# Allegro board balenaFin-PCB.brd (continued)
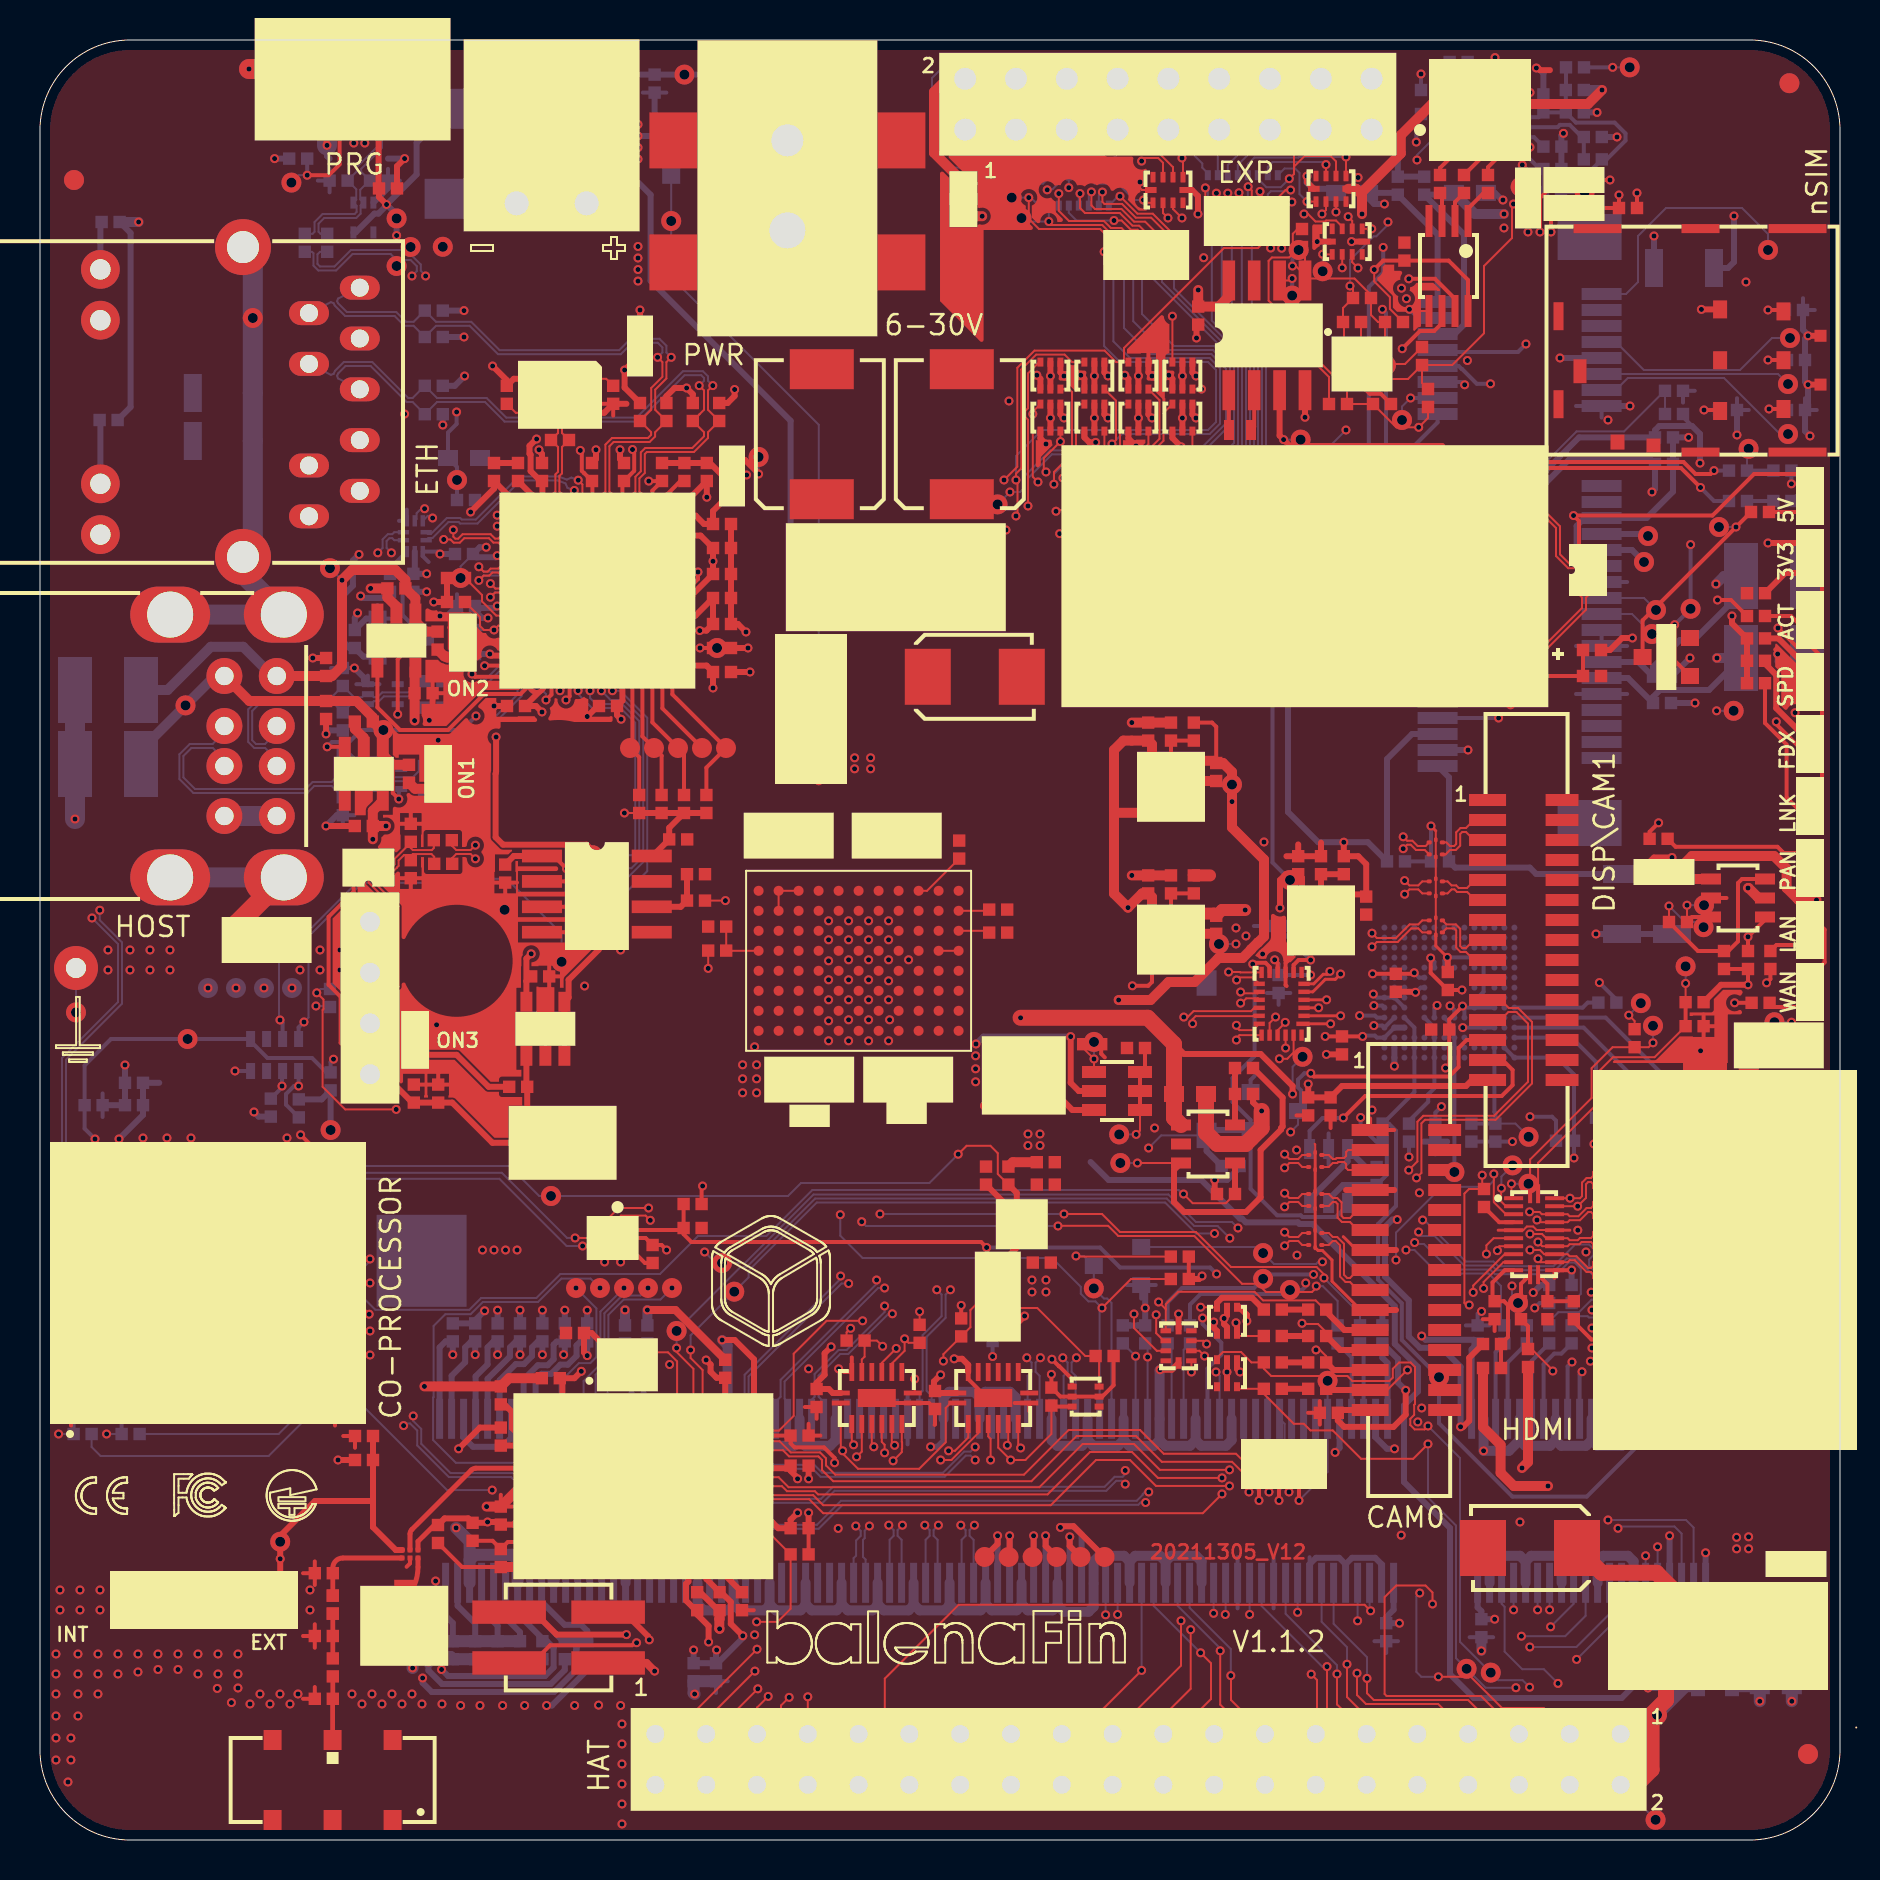
[diagram p0: board, top side]
## Nets (continued)
CAM1_CK+_EXT: J10.9 L13.3
CAM1_CK-_EXT: J10.8 L13.4
CAM1_CN: J2.149 L13.2
CAM1_CP: J2.147 L13.1
CAM1_D0+_EXT: J10.3 L11.3
CAM1_D0-_EXT: J10.2 L11.4
CAM1_D1+_EXT: J10.6 L12.3
CAM1_D1-_EXT: J10.5 L12.4
CAM1_DN0: J2.161 L11.2
CAM1_DN1: J2.155 L12.2
CAM1_DP0: J2.159 L11.1
CAM1_DP1: J2.153 L12.1
CAM1_IO0: DS4.3 J2.82 R18.2 R82.2
CAM1_IO0_EXT: J10.11 R81.1 TVS2.1 U32.2
CAM1_IO1: DS4.6 J2.84 R20.2 R84.2
CAM1_IO1_EXT: J10.12 R83.1 TVS2.2 U32.5
CAM1_SCL_EXT: J10.13 R85.1 TVS2.3 U32.3
CAM1_SDA_EXT: J10.14 R87.1 TVS2.6 U32.6
CAM_DIS_PIN11: J3.11 U32.4
CAM_DIS_PIN12: J3.12 U32.7
CAM_DIS_PIN13: J3.13 Q21.3 U32.12
CAM_DIS_PIN14: J3.14 Q20.4 U32.9
CM3_RX: R15.2 U29.2
CM3_TX: R14.2 U29.1
D+_DBG: C87.1 J13.3 R115.2 TVS5.2
D+_HOST1: C69.1 J11.3 R91.2 TVS3.2
D+_HOST2: C78.1 J11.7 R109.2 TVS4.2
D+_HOST_INT: C238.1 J23.3 R296.2 TVS19.2
D-_DBG: C86.1 J13.2 R114.2 TVS5.1
D-_HOST1: C68.1 J11.2 R92.2 TVS3.1
D-_HOST2: C77.1 J11.6 R108.2 TVS4.1
D-_HOST_INT: C237.1 J23.2 R295.2 TVS19.1
DBG_UP-RX_DEV-TX: DS26.6 MOD2.6 RR3.5
DBG_UP-RX_DEV-TX_EXT: J14.12 RR2.13 TVS18.1
DBG_UP-TX_DEV-RX: DS26.3 MOD2.5 RR3.6
DBG_UP-TX_DEV-RX_EXT: J14.14 RR2.14 TVS18.2
DISP_CLK+_CAM0_D1+_EXT: J3.6 L3.3
DISP_CLK-_CAM0_D1-_EXT: J3.5 L3.4
DISP_D0+_CAM0_CK+_EXT: J3.9 L4.3
DISP_D0-_CAM0_CK-_EXT: J3.8 L4.4
DISP_D1+_CAM0_D0+_EXT: J3.3 L2.3
DISP_D1-_CAM0_D0-_EXT: J3.2 L2.4
DSI1_CN: J2.102 U31.23
DSI1_CN_CAM0_DN1: L3.2 U31.2
DSI1_CP: J2.100 U31.22
DSI1_CP_CAM0_DP1: L3.1 U31.1
DSI1_DN0: J2.96 U31.21
DSI1_DN0_CAM0_CN: L4.2 U31.4
DSI1_DN1: J2.120 U31.18
DSI1_DN1_CAM0_DN0: L2.2 U31.6
DSI1_DP0: J2.94 U31.20
DSI1_DP0_CAM0_CP: L4.1 U31.3
DSI1_DP1: J2.118 U31.19
DSI1_DP1_CAM0_DP0: L2.1 U31.5
EE_CLK: U19.2 U22.23
EE_CS: R170.2 U19.1 U22.24
EE_DI: U19.4 U22.26
EE_DO: U19.3 U22.25
EMMC_CLK: J2.10 U17.M6 U17.N7 U17.P7
EMMC_CMD: J2.12 R134.1 U17.L1 U17.L2 U17.L3 U17.M5
EMMC_D0: J2.16 R138.1 U17.A3
EMMC_D1: J2.18 R137.1 U17.A4
EMMC_D2: J2.22 R136.1 U17.A5
EMMC_D3: J2.24 R135.1 U17.A1 U17.B2
EMMC_DISABLE_N: J2.2 Q2.3
EMMC_DS: TP41.1(TP) U17.G1 U17.G2 U17.G3 U17.H5
EMMC_EN_N_1V8: J2.90 Q3.1 R22.1
EMMC_RST: R133.1 U17.J1 U17.J2 U17.J3 U17.K5
ETH_RX+: C138.1 J20.4 R164.1 U22.52
ETH_RX-: C139.1 J20.5 R165.1 U22.53
ETH_TX+: C136.1 J20.1 R162.1 U22.55
ETH_TX-: C137.1 J20.2 R163.1 U22.56
GPIO4: J2.15 J18.7
GPIO5: J2.17 J18.29
GPIO6: J2.21 J18.31
GPIO7: J2.23 J18.26
GPIO8: J2.27 J18.24
GPIO9: J2.29 J18.21
GPIO10: J2.33 J18.19
GPIO11: J2.35 J18.23
GPIO12: J2.45 J18.32
GPIO13: J2.47 J18.33
GPIO14: J2.51 J18.8
GPIO15: J2.53 J18.10
GPIO16: J2.57 J18.36
GPIO17: J2.59 J18.11
GPIO18: J2.63 J18.12
GPIO19: J2.65 J18.35
GPIO20: J2.69 J18.38
GPIO21: J2.71 J18.40
GPIO22: J2.75 J18.15
GPIO23: J2.77 J18.16
GPIO24: J2.81 J18.18
GPIO25: J2.83 J18.22
GPIO26: J2.87 J18.37
GPIO27: J2.89 J18.13
HDMI_CEC: J2.171 R6.1
HDMI_CEC_CON: J1.13 U1.6
HDMI_CK+: J1.10 J2.113 U1.15
HDMI_CK-: J1.12 J2.111 U1.14
HDMI_D0+: J1.7 J2.119 U1.17
HDMI_D0-: J1.9 J2.117 U1.16
HDMI_D1+: J1.4 J2.125 U1.20
HDMI_D1-: J1.6 J2.123 U1.19
HDMI_D2+: J1.1 J2.131 U1.22
HDMI_D2-: J1.3 J2.129 U1.21
HDMI_HPD: Q1.1 U1.3
HDMI_HPD_CON: J1.19 U1.9
HDMI_LS_OE: R13.1 R16.1 R245.2 U25.5
HDMI_SCL: J2.175 U1.1
HDMI_SCL_CON: J1.15 U1.7
HDMI_SDA: J2.173 U1.2
HDMI_SDA_CON: J1.16(SDA) U1.8
I2C0_SCL: DS5.6 J2.5 J18.28 R4.1 R86.2
I2C0_SDA: DS5.3 J2.3 J18.27 R5.1 R88.2
I2C1_SCL: J2.11 J18.5 R1.1 R143.2 R284.2
I2C1_SCL_EXT: TVS18.7
I2C1_SDA: J2.9 J18.3 R3.1 R145.2 R285.1
I2C1_SDA_EXT: TVS18.8
JTCK: J2.180 TP63.1(TP)
JTDI: J2.174 TP60.1(TP)
JTDO: J2.178 TP62.1(TP)
JTMS: J2.176 TP61.1(TP)
LED-B: R123.2 U30.3
LED-G: R121.2 U30.2
LED-R: R119.2 U30.1
LED_LINK: J20.12 LD12.1(C) U22.21
LED_SPEED: J20.14 LD13.1(C) U22.22
MCU-GPIO0: DS7.3 MOD2.3 RR13.5
MCU-GPIO0_EXT: J14.1 RR14.13 TVS6.7
MCU-GPIO1: DS7.6 MOD2.7 RR13.6
MCU-GPIO1_EXT: J14.3 RR14.14 TVS6.6
MCU-GPIO2: DS8.3 MOD2.8 RR13.7
MCU-GPIO2_EXT: J14.5 RR14.15 TVS7.1
MCU-GPIO3: DS8.6 MOD2.9 RR13.8
MCU-GPIO3_EXT: J14.7 RR14.16 TVS7.2
MCU-GPIO4: DS9.3 MOD2.10 RR3.1
MCU-GPIO4_EXT: J14.9 RR2.9 TVS7.3
MCU-GPIO5: DS9.6 MOD2.11 RR3.2
MCU-GPIO5_EXT: J14.11 RR2.10 TVS7.8
MCU-GPIO6: DS10.3 MOD2.27 RR3.3
MCU-GPIO6_EXT: J14.13 RR2.11 TVS7.7
MCU-GPIO7: DS10.6 MOD2.28 RR3.4
MCU-GPIO7_EXT: J14.15 RR2.12 TVS7.6
MCU-GPIO8: DS25.3 R313.2 R314.1 RR3.7
MCU-GPIO8_EXT: J14.16 RR2.15 TVS18.3
MCU-GPIO9: DS25.6 R312.2 R315.2 RR3.8
MCU-GPIO9_EXT: J14.18 RR2.16 TVS18.6
NRST: J2.172(V\C\_\T\R\S\T\) TP59.1(TP)
PERST_MPCIE: R250.2 U25.8
PW_EN_LED: Q13.1 Q16.1 R273.1 U25.10
PW_ON_3V3: MOD2.26 R180.1 U20.3
PW_ON_5V: MOD2.17 Q17.1 R274.1
RF_OUT_50OHM: MOD1.N4 U26.5
RST_MCU: C91.1 MOD2.30 R118.1 R311.1 RR4.5
SEL_CAM_DIS: DSW2.2 Q20.1 Q21.1 R317.2 U31.11 U32.1 U33.1
SEL_SWD: J2.72 R297.1 R298.2 U29.10
SPI-MCU_MISO: DS28.6 MOD2.15 RR13.4
SPI-MCU_MISO_EXT: J14.10 RR14.12 TVS6.8
SPI-MCU_MOSI: DS28.3 MOD2.14 RR13.3
SPI-MCU_MOSI_EXT: J14.8 RR14.11 TVS6.3
SPI-MCU_SCLK: DS27.6 MOD2.16 RR13.2
SPI-MCU_SCLK_EXT: J14.6 RR14.10 TVS6.2
SPI_MCU_CS-CON: DS27.3 MOD2.13 RR13.1
SPI_MCU_CS-CON_EXT: J14.4 RR14.9 TVS6.1
SW_I2C_SCL_ON: MOD2.19 Q18.3 R284.1 R287.2 R288.1 R315.1 U23.6 U30.6
SW_I2C_SCL_ON_OFF: Q18.4(S2) R17.2 R282.2 R287.1 U25.12
SW_I2C_SDA_ON: MOD2.18 Q18.6 R285.2 R286.1 R289.2 R314.2 U23.5 U30.7
SW_I2C_SDA_ON_OFF: Q18.1 R19.2 R283.1 R286.2 U25.13
SWCLK_MCU: MOD2.21 RR4.7 U29.7
SWDIO_MCU: MOD2.22 RR4.8 U29.6
TR00: J20.7 J24.2
TR01: J20.8 J24.1
TR02: J20.9 J24.4
TR03: J20.10(VC2-) J24.3
USB_DBG_D+: R115.1 U13.5
USB_DBG_D-: R114.1 U13.4
USB_DM: J2.167 U13.2
USB_DP: J2.165 U13.1
USB_HOST1_CTRL: U10.3 U10.4 U22.17
USB_HOST1_D+: R91.1 U22.7
USB_HOST1_D-: R92.1 U22.6
USB_HOST2_CTRL: U12.3 U12.4 U22.18
USB_HOST2_D+: R109.1 U22.9
USB_HOST2_D-: R108.1 U22.8
USB_HOST_INT_CTRL: U22.16 U28.3 U28.4
USB_HUB_D+: U13.7 U22.59
USB_HUB_D-: U13.6 U22.58
USB_INT+: R296.1 U22.4
USB_INT-: R295.1 U22.3
USB_MPCIE_D+: J19.38 TVS17.2 U22.2
USB_MPCIE_D-: J19.36 TVS17.1 U22.1
W-DISABLE_MPCIE: R249.2 U25.7
WIFI_BLE_PDN: MOD1.C8 R218.2 R293.2
WIFI_SDIO_CLK: J2.52 MOD1.A5 RR15.6
WIFI_SDIO_CMD: J2.54 MOD1.B4 RR15.5
WIFI_SDIO_D0: J2.58 MOD1.B6 RR15.4
WIFI_SDIO_D1: J2.60 MOD1.A6 RR15.3
WIFI_SDIO_D2: J2.64 MOD1.B3 RR15.2
WIFI_SDIO_D3: J2.66 MOD1.A3 RR15.1
N16818805: R35.1 R37.2 U2.5
N16819336: R42.1 R46.2 U5.5
N16826548: C89.2 J13.6 J13.7 J13.8 J13.9 J13.10 J13.11 R117.2
N16879463: C3.1 R2.1 U1.23(VCCA)
N16879564: R6.2 U1.24
N16879671: J1.18 L1.2
N16879685: R13.2 U1.4
N16879735: C9.1 R243.2 R244.2 U1.10
N16879749: C8.2 J1.21 J1.22 J1.23 J1.24
N16879759: R16.2 U1.11
N16879761: C10.1 L1.1 U1.12
N16882551: J2.88 Q1.3 R21.1
N16891942: Q6.3 R113.2 U13.10
N16969912: R128.1 RR4.1 TP70.1(TP)
N16969957: R132.1 RR4.2 TP71.1(TP)
N16969979: RR4.4 TP72.1(TP)
N17037416: J2.168 R29.1
N17062592: RR2.5 RR3.13
N17062595: RR2.6 RR3.14
N17062598: RR2.7 RR3.15
N17062601: RR2.8 RR3.16
N17069111: DS2.1(C) DS3.1(C) DS32.1(C) DS33.1(C) F1.1
N17119064: R49.1 R52.2 U6.5
N17122549: J19.32 R144.1
N17122560: J19.30 R142.1
N17123208: J19.14 R187.1
N17123211: J19.12 R186.1
N17123214: J19.10 R185.1
N17123217: C153.1 J19.8 J22.1 R188.2
N17128944: R142.2 R143.1
N17129002: R144.2 R145.1
N17130185: C211.1 J19.22 R248.1 R250.1
N17130223: J19.7 TP50.1(TP)
N17130226: J19.11 TP47.1(TP)
N17130229: J19.13 TP49.1(TP)
N17130232: J19.23 TP55.1(TP)
N17130235: J19.25 TP56.1(TP)
N17130238: J19.31 TP57.1(TP)
N17130241: J19.33 TP58.1(TP)
N17130249: J19.1 TP46.1(TP)
N17159243: LD4.1(C) R66.2
N17159780: LD5.1(C) R67.2
N17163814: RR2.4 RR3.12
N17163832: RR2.3 RR3.11
N17163850: RR2.2 RR3.10
N17179377: J9.1 U26.3
N17179423: ANT1.2 C60.1 C202.2
N17179429: C201.1 C202.1 L22.2 R224.2
N17199581: J2.28 R8.1
N17199633: J2.30 R9.1
N17201498: J2.46 R14.1
N17201501: J2.48 R15.1
N17201615: J2.76 R17.1
N17201618: J2.78 R19.1
N17222181: R139.2 U17.A6
N17222186: R140.2 U17.J5
N17293442: J2.93 TP1.1(TP)
N17293451: J2.95 TP2.1(TP)
N17293460: J2.99 TP3.1(TP)
N17293469: J2.101 TP4.1(TP)
N17293478: J2.105 TP5.1(TP)
N17293487: J2.107 TP6.1(TP)
N17293833: J2.166 R28.1
N17297409: Q2.1 R32.2 R237.1
N17299945: Q2.2(S) Q3.3 R31.1
N17304746: LD17.1(C) R31.2
N17324040: RR2.1 RR3.9
N17354151: J13.4 R153.2
N18385522: F2.1 J14.2
N18386630: RR13.9 RR14.1
N18386633: RR13.10 RR14.2
N18386636: RR13.11 RR14.3
N18386651: RR13.12 RR14.4
N18386810: RR13.13 RR14.5
N18386815: RR13.14 RR14.6
N18386822: RR13.15 RR14.7
N18386825: RR13.16 RR14.8
N18400731: C152.1 U20.4
N18401161: R182.1 U20.6
N18405003: R1.2 R3.2 R183.2 R184.2
N18406483: C154.1 J22.2 R187.2
N18406582: C156.1 J22.7 R185.2 R188.1
N18406685: J19.16 TP64.1(TP)
N18408710: C155.1 J22.3 R186.2
N18424363: C135.1 J20.3 R200.1
N18431035: R201.1 U22.63
N18432576: R202.1 U22.50
N18433009: R203.1 U22.41
N18435074: C148.1 R204.2 U22.61 Y2.3
N18435086: C147.1 R204.1 U22.60(XO) Y2.1
N18439563: LD14.1(C) U22.20
N18440280: C187.2 R205.1 U22.12
N18441109: R169.1 R171.2 U19.6
N18444316: R206.1 TP69.1(TP) U22.32
N18444319: TP68.1(TP) U22.31
N18444322: R207.1 TP67.1(TP) U22.30
N18444325: R208.1 TP66.1(TP) U22.29
N18444328: R209.1 TP65.1(TP) U22.28
N18447675: LD15.2 R210.1
N18448098: LD16.2 R211.1
N18449262: R212.1 U22.11
N18457379: U23.1 Y4.2
N18457384: U23.2(X2) Y4.1
N18469944: BAT1.1 U23.3
N18472937: C199.2 MOD1.B9
N18475436: MOD1.L3 R219.2 R222.2
N18475447: MOD1.L8 R220.2 R221.2
N18488781: L10.2 L22.1(C) R224.1 U26.1
N18498215: C204.1 R230.2 R233.2 R234.2 R235.1 R236.1 U25.14
N18498233: R229.2 R230.1 U25.15
N18502868: R231.2 R233.1 U25.16
N18502871: R232.2 R234.1 U25.1
N18639689: Q16.3 R269.1 R271.1
N18639693: Q16.6 R269.2
N18652550: DSW1.2 R240.1 R275.2 U26.6
N18655098: Q14.4 Q15.4 R260.2
N18655160: Q15.1 Q15.2 Q15.3 R262.2
N18656712: Q17.3 R270.1 R272.1
N18656716: Q17.6 R270.2
N18660257: Q13.3 R66.1
N18668852: J19.20(W\_\D\I\S\A\B\L\E\) R246.1 R247.2 R249.1
N18784708: MOD1.E1 Y5.3
N19330929: J2.34 R11.1
N19330932: J2.36 R12.1
N19357608: LD8.1 R123.1
N19378336: J2.70 R293.1
N19465405: LD18.2 R294.1
N19490611: LD8.3(CR) R119.1
N19490616: LD8.2 R121.1
N20229851: J20.13 R308.2
N20229854: J20.11 R307.1
N20266908: LD13.2 R174.1
N20266937: LD12.2 R175.1
N20266961: LD14.2 R177.1
N20267004: R311.2 U25.9
N20267170: MOD2.2 R312.1
N20267197: MOD2.4 R313.1
N20273293: Q20.3 Q20.6 R316.1
N20278857: R23.2 R24.1
N20278874: R25.2 R26.1
N20285008: R309.2 U31.8
N20297788: R81.2 R82.1
N20297820: R83.2 R84.1
N20297852: R85.2 R86.1
N20297874: R87.2 R88.1
N20330182: J19.42 R146.1
N20330192: LD9.1(C) R146.2
N20330200: J19.44 R147.1
N20330210: LD10.1(C) R147.2
N20330214: J19.46 R148.1
N20330216: LD11.1(C) R148.2
N20547834: U34.A4 U34.B4
N20558805: R252.2 U34.A3
N20558987: R264.2 U34.A2
N20559359: R263.1 U34.C1
N20559557: R253.1 R254.2 U34.L4

Pads without a net: ANT1 1 3 4 5 6; FID1 1; FID2 1; FID3 1; FID4 1; FID5 1; FID6 1; J1 14; J2 106 108 112 114 124 126 128 130 132 135 137 141 143 154 156 158 160 162 177 179; J3 16 17 18 19 20 21 22 23 24 25 26 27 28 29 30; J10 16 17 18 19 20 21 22 23 24 25 26 27 28 29 30; J19 3 5 17 19 45 47 49 51; J22 6 13; MOD1 B7 B8 D8 E2 E8 F2 F9 G1 G2 G9 H1 H2 H8 J1 J2 J8 K1 K2 K8 K9 L2 L4 L5 L6 L7 M7; MOD2 25; RR4 3 6; RR15 7 8 9 10; TVS2 4 9; TVS3 4; TVS4 4; TVS5 4; TVS6 4 9; TVS7 4 9; TVS17 4; TVS18 4 9; TVS19 4; U2 3; U5 3; U6 3; U17 A2 A7 A8 A9 A10 A11 A12 A13 A14 B1 B3 B4 B5 B6 B7 B8 B9 B10 B11 B12 B13 B14 C3 C5 C7 C8 C9 C10 C11 C12 C13 C14 D1 D2 D3 D12 D13 D14 E1 E2 E3 E5 E8 E9 E10 E12 E13 E14 F1 F2 F3 F10 F12 F13 F14 G10 G12 G13 G14 H1 H2 H3 H12 H13 H14 J12 J13 J14 K1 K2 K3 K6 K7 K10 K12 K13 K14 L12 L13 L14 M1 M2 M3 M7 M8 M9 M10 M11 M12 M13 M14 N3 N6 N8 N9 N10 N11 N12 N13 N14 P1 P2 P8 P9 P10 P11 P12 P13 P14; U19 7; U20 5; U22 13 14 35 36 37 42 43 45 47; U23 7; U25 2 3 4 11; U30 4; U31 7 24; U32 10 13; U33 9 10 11 12 13 14; U34 B1 B2 B3 C2 C3 K3 K4 L2 L3; Y5 1

## Via types
v1: diameter 0.45, hole 0.254, TOP to BOTTOM, 1045 vias
v2: diameter 1, hole 0.5, TOP to BOTTOM, 107 vias

## Routing (per net, layer and track width the routed paths; a pad name or vN(x,y) marks a point on that pad's centre or on a via; arc(x,y) is an arc through that point)
3V3_HAT: length 30.7
  POWER w0.6: J18.17 60.21,6.8 77.53,6.8 J18.1
  BOTTOM w0.6: J18.1 79.89,5.3 v2(80.85,6.26) 82.28,7.69 F3.2 82.9,7.84 83.86,8.8 84.87,8.8 85.56,9.49 TVS15.1
5V_HAT: length 37.5
  TOP w0.8: 80.8,10.2 81.5,10.2 v1(82.3,9.4) ; 80.8,10.2 v1(82.3,8.7) ; 80.8,10.2 F4.1 ; J18.4 J18.2 79.82,2.76 80.58,3.52 80.58,6.28 81.3,7 81.3,9.62 F4.1 ; F4.1 81.62,11.11 81.62,12.56 80.83,13.36 78.09,13.36 TVS16.1
  INT1 w0.8: v1(82.3,9.4) v1(82.3,8.7) 82.3,8 80.58,6.28 80.58,3.56 79.78,2.76 J18.2 J18.4
  BOTTOM w0.1: J18.2 v2(80.78,1.01)
5V_HOST1: length 20.7
  TOP w0.2: 17.64,53.76 17.64,52.35 v1(17.94,52.05)
  TOP w0.5: J11.1 10.47,56.95 C70.1 15.83,56.95 16.64,56.13 C64.1 17.14,55.42 U10.1 17.14,54.26 17.64,53.76 R210.2
  BOTTOM w0.2: TVS3.5 17.94,52.43 v1(17.94,52.05)
  BOTTOM w0.5: C234.1 5.05,54.51 v2(7.28,56.73) 8.75,58.2 J11.1
5V_HOST2: length 29.3
  TOP w0.2: v1(17.89,56.29) 17.89,59.04 19.27,60.42
  TOP w0.5: R211.2 19.27,60.42 18.77,60.92 U12.1 18.77,62.08 C76.1 18.27,63 17.77,63.5 15.6,63.5 15.1,63 v1(15.1,62.99) 15.1,58.7 14.6,58.2 C79.1 J11.5
  BOTTOM w0.1: v2(14.5,63.59) v1(15.1,62.99)
  BOTTOM w0.2: TVS4.5 v1(17.89,56.29)
  BOTTOM w0.5: J11.5 11.62,58.2 10.16,59.66 8.54,59.66 6.38,57.5 C232.1
5V_HOST_INT: length 25.1
  TOP w0.2: J23.1 16.5,38.39 15.03,39.86 15.03,42.16 14.43,42.76 14.43,46.16 15.68,47.41 TVS19.5
  TOP w0.3: U28.1 24.32,37.7 R294.2 24.36,34.98 C240.1 22.62,34.86 20.61,36.87 C236.1 C239.1 18.62,36.87 17.2,38.29 J23.1
+1V5: length 95
  TOP w0.3: v1(65.19,49.89) R49.2 65.91,49.19 66.31,48.79 C42.1 66.2,47.28 U6.4
  POWER w0.5: v1(80.6,67.4) 79.04,68.96 v1(69.76,68.96) 73.1,72.3 73.1,75.2 72.06,76.23 72.06,78.44 71.67,78.83 71.67,80.36 72.61,81.3 v1(73.2,81.3)
  BOTTOM w0.3: v1(80.6,67.4) 80.75,67.55 C120.1 80.53,69.03 76.46,69.03 70.73,63.3 J19.28 ; J19.6 70.73,75.3 71.2,75.77 71.2,80.28 69.21,82.27 70.61,82.27 C115.2 ; J19.48 68.6,55.3 67.35,54.05 C123.1 66.39,49.89 v1(65.19,49.89) 63.91,49.89 62.4,51.4 62.4,62.2 v2(64.33,64.13) 69.16,68.96 v1(69.76,68.96)
  BOTTOM w0.5: v1(73.2,81.3) 71.75,81.3 C115.2
+1V8: length 59.9
  TOP w0.2: R21.2 R22.2
  TOP w0.3: R22.2 57.95,28.05 v1(58.1,28.2) ; v1(27.36,24.22) 27.2,24.38 C231.1 27.58,25.35 Y5.4
  TOP w0.6: U5.4 58.7,46.32 C39.1 59.1,46.5 v1(60.26,46.5) ; R42.2 58.5,48.23
  INT3 w0.2: v1(26.18,24.27) 26.18,13.85 20.43,8.1 v1(19.13,8.1)
  BOTTOM w0.3: C13.2 27.36,10.46 27.06,10.76 26.23,10.76 25.08,11.91 J2.183 ; J2.186 24.18,23.03 24.89,23.74 25.38,23.74 25.68,24.04 25.68,24.77 25.83,24.92 26.24,24.92 ; J2.184 24.78,23.01 25.08,23.31 25.56,23.31 26.01,23.77 26.39,23.77 26.83,24.2 26.83,24.73 27.03,24.93 C14.1 v1(27.36,24.22) ; v1(26.18,24.27) 26.24,24.33 26.24,24.92 ; 26.24,24.92 C16.1 ; v1(19.13,8.1) 19.13,7.86 19.59,7.4 25.7,7.4 26.8,8.5 26.8,9.49 26.83,9.52 26.83,9.67 27.1,9.94 ; J2.185 24.48,11.61 26.15,9.94 C15.2
  BOTTOM w0.6: C15.2 C13.2
+1V8_CORE: length 16.8
  TOP w0.3: v1(22.49,59.3) 22.57,59.22 U22.15 ; v1(32.99,60.47) 33.32,60.47 C182.1 C184.1 32.77,61.22 U22.38
  INT1 w0.5: v1(22.49,59.3) 22.99,59.8 32.32,59.8 v1(32.99,60.47)
  BOTTOM w0.3: v1(22.49,59.3) C183.2
+1V8_ETHPLL: length 3.6
  TOP w0.3: L21.2 33.65,66.45 C186.1 33.2,65.8 32.78,66.22 U22.48
+1V8_USBPLL: length 18.8
  TOP w0.3: L21.1 35.25,69 35.93,68.32 v1(35.93,68.3) ; v1(24.83,70.05) 24.77,69.99 24.75,69.99 24.48,69.71 24.48,69.32 24.53,69.26 24.53,68.45 25.03,67.95 C185.2 25.12,67.93 U22.62
  INT2 w0.3: v1(24.83,70.05) 25.78,71 33.25,71 35.8,68.45 35.8,68.43 v1(35.93,68.3)
  BOTTOM w0.1: v2(35.93,69.15) v1(35.93,68.3)
+1V8_WIFI: length 61.3
  TOP w0.1: MOD1.L9 26.57,14.54 26.57,15.44 v1(26.63,15.5) ; v1(31.03,15.5) 29.59,15.5 29.27,15.18 29.27,14.8 29.01,14.54 28.37,14.54 MOD1.J9
  TOP w0.2: v1(39.73,18.86) 39.73,19.1 39.2,19.63 37.73,19.63 37.53,19.83 C195.2 34.39,20.22 MOD1.B2
  TOP w0.3: MOD1.L1 26.12,22.96 C196.2 26.72,23.09 v1(27.07,23.43) ; v1(35.14,10.21) 34.54,10.81 34.54,11.9 34.05,12.39 C194.2 33.32,13.05 MOD1.C9
  INT1 w0.3: v1(33.83,9.5) 34.45,10.13 34.45,12.08 v1(31.03,15.5) ; v1(26.63,15.5) 27.63,14.5 29.63,14.5 32.68,11.45 32.68,11.42 32.91,11.19 32.91,9.81 32.68,9.58 v1(32.68,9.5)
  POWER w0.3: v1(35.14,10.21) 35.14,11.48 39.73,16.07 39.73,18.86 v1(39.73,18.86)
  POWER w0.4: v1(26.63,15.5) 25.53,16.6 25.53,21.9 v1(27.07,23.43)
  BOTTOM w0.3: C198.2 33.88,8.84 35.14,10.1 v1(35.14,10.21) ; C198.2 33.8,9.47 33.83,9.5 v1(33.83,9.5) ; C198.2 C197.2 v1(32.68,9.5)
+2V8: length 106.7
  TOP w0.2: R35.2 58.6,55.87 58.81,55.66 C27.1
  TOP w0.5: U2.4 58.7,53.96 C27.1 59.15,53.85 59.6,53.4 v1(59.6,51.92) 59.6,50.62 61.2,49.02 61.2,45.17 60.91,44.88 60.89,44.88 60.56,44.54 60.56,44.53 60.13,44.1 58.93,44.1 57.73,42.9 56.43,42.9 55.53,42 v1(53.93,42)
  INT3 w0.2: v1(20.08,8.53) 19.96,8.64 19.96,8.95 25.12,14.11 v1(25.12,24.27)
  POWER w0.5: v1(53.93,42) 53.93,32.3 52.43,30.8 52.43,23.91 50.88,22.36 31.84,22.36 29.3,24.9 25.62,24.9 25.12,24.4 v1(25.12,24.27)
  BOTTOM w0.1: v2(59.6,52.77) v1(59.6,51.92)
  BOTTOM w0.3: J2.189 23.28,11.91 25.12,10.07 C17.2 25.35,9.94 25.68,9.61 25.68,8.63 25.25,8.2 20.4,8.2 v1(20.08,8.53) ; v1(25.12,24.27) C18.1 24.9,24.93 24.6,24.63 24.6,24.2 24.2,23.79 23.78,23.79 22.98,22.99 J2.190
+3V3: length 332.9
  TOP w0.1: R209.2 v1(29.22,51.35) ; R283.2 66.05,74.59 65.26,73.8 ; R282.1 68.25,73.8 Q18.5 ; R169.2 v1(34.27,46.97)
  TOP w0.2: R271.2 R273.2 v1(85.4,42.76) ; R297.2 33.08,32.65 v1(33.13,32.7) ; v1(61.73,44.01) 61.73,44 61.88,43.85 U31.10 ; Q18.5 v1(65.9,73.8) Q18.2 ; v1(66.13,40.18) C109.2 v1(64.26,40.18) ; RR15.16 RR15.15 RR15.14 ; v1(71.1,42.5) C110.2 70.39,42.5 69.53,43.35 v1(69.53,44.1) ; v1(61.16,18.95) 61.45,19.24 RR15.14 ; R319.1 53.68,22.74 53.11,22.17 DS1.2 DS1.5 51.02,22.17 50.57,22.62 R318.1 v1(50.57,23.28) ; v1(66.63,43.31) C112.2 68.66,43.31 v1(68.71,43.36) ; v1(70.28,38.6) 70.46,38.78 C111.2 70.46,41.03 v1(71.13,41.7) ; U29.9 30.28,30.1 C241.1 31.08,29.75 v1(31.33,29.5) ; RR15.12 RR15.13 RR15.14 ; v1(54.62,42.71) 55.41,42.71 55.6,42.9 U5.1
  TOP w0.25: C210.2 19.72,15.75 18.9,14.93 U26.4
  TOP w0.3: R2.2 84.05,42.76 v1(85.4,42.76) ; v1(45.03,23.26) 44.7,22.93 44.7,22.5 C245.1 44.85,22.35 U33.16 ; U19.8 30.63,49.2 C140.1 31.46,50.61 R207.2 ; R248.2 78.5,59.5 79.1,60.1 v1(79.62,60.1) ; U22.19 25.12,57.57 C181.1 24.8,56.7 v1(25.1,56.4) ; R267.1 80.4,48.83 80.7,49.12 v1(81.6,49.12) ; R207.2 R208.2 R209.2 ; R207.2 R206.2 ; DS5.5 v1(59.35,23.4) DS5.2 ; R274.2 58.73,32.41 v1(58.73,33.01) ; MOD1.M6 24.69,16.79 23.67,15.77 C191.2 22.91,15.9 v1(22.38,15.9) 22.34,15.86 R220.1 21.41,16.08 20.23,16.08 C210.2 ; U32.16 39.64,22.35 39.44,22.55 C244.1 38.83,22.86 39.23,23.26 39.23,24.34 v1(39.55,24.66) ; MOD1.A4 37.4,18.59 C192.2 37.53,18.46 37.88,18.11 v1(37.88,18.06) ; MOD1.B1 34.26,21.33 C193.2 33.83,23.11 33.53,23.41 33.53,23.78 v1(33.3,24) ; v1(68.28,22.48) 68.28,21.27 67.67,20.66 65.21,20.66 64.89,20.98 C61.1 65.03,21.5 J10.15 ; U22.27 29.12,56.97 C180.1 28.85,56.24 v1(29.05,56.04) ; v1(49.23,26.2) 48.7,25.67 R182.2 ; U6.1 62.87,44.68 62.55,45 62.55,46.96 62.87,47.28 U6.6 63.1,48.1 C43.1 62.29,48.29 62,48 v1(62,46.6) ; v1(19.69,61.9) R205.2 R212.2 ; R203.2 v1(35.4,59.6) ; v1(20.93,19.56) 21.99,20.62 R219.1 ; MOD1.A7 36.61,15.89 36.91,15.59 C189.2 37.53,16.01 v1(37.88,16.36) ; v1(33.65,57.6) C179.1 33.33,58.72 U22.33 ; L20.1 v1(30,76.5) ; DS4.5 59.35,25.65 59.21,25.79 v1(59.21,26.08) 59.35,26.22 DS4.2 ; J3.15 71.6,38 71.3,37.7 65.1,37.7 C11.1 C12.1 v1(63.41,37.8) ; v1(33.43,9.9) 33.43,10.7 32.86,11.27 C190.2 32.79,11.49 32.3,11.98 32.3,12.8 32.42,12.92 MOD1.D9 ; TVS2.10 v1(56.93,26.3) ; R240.2 v1(14.9,19) ; U22.39 U22.40 32.57,62.22 C178.1 v1(33.65,63.94) C177.1 33.03,65.22 U22.46
  TOP w0.5: U2.6 55.6,54.78 C28.1 54.17,54.97 53.7,54.5 53.7,51.3 ; 53.7,51.3 53.7,47.32 v1(54.4,46.62) 55.11,47.33 C40.1 55.6,47.14 U5.6 ; 53.7,51.3 53.76,51.36 U2.1 ; v1(74.1,18.6) 74.4,18.9 R245.1 ; v1(85.4,47.6) 85.43,47.6 85.93,47.1 Q16.2
  INT1 w0.2: v1(74.5,36.16) 74.5,36.26 74.74,36.5 77.9,36.5 78.54,35.86 v1(78.54,34.64)
  POWER w0.1: 33.82,23.6 33.93,23.6 34.13,23.8 34.94,23.8
  POWER w0.3: v1(37.88,16.36) v1(37.88,18.06)
  BOTTOM w0.1: v2(58.95,44.8) v1(59.8,44.8)
  BOTTOM w0.2: v1(66.13,40.18) 66.17,40.22 66.74,40.22 66.84,40.12 U17.P3 U17.N4 ; R316.2 66.83,32.75 67.34,33.26 67.34,34.71 R134.2 66.81,34.92 66.03,35.7 v1(66.03,36.12) ; v1(61.73,44.01) 61.73,44 61.93,43.8 C243.1 v1(63.53,43.25) ; U17.K9 68.95,43.12 v1(68.71,43.36) ; R138.2 78.7,34.8 v1(78.54,34.64) 78.91,34.28 79.87,34.28 80.17,34.58 R136.2 80.3,35.8 R137.2 ; R135.2 75.8,35.96 75.6,36.16 v1(74.5,36.16) ; U17.J10 69.72,43.91 v1(69.53,44.1) ; U17.C6 U17.E6 71.2,41.62 ; 82.6,70.7 82.15,71.15 R246.2 ; U17.F5 71.22,41.6 71.2,41.62 ; U17.P5 66.84,41.12 66.74,41.22 v1(65.98,41.22) ; 71.2,41.62 v1(71.13,41.7) ; R4.2 R5.2 83.76,10.04 v1(83.76,9.48) ; R133.2 v1(68.45,34.15)
  BOTTOM w0.3: R316.2 65.15,32.75 64.43,32.03 Q20.2 ; J2.4 82.38,24.34 C1.1 ; C1.1 C2.1 81.78,24.8 J2.6 ; C1.1 83.37,24.83 v1(83.6,24.6) ; C207.1 84.4,78.6 84.7,78.9 v1(84.7,81.2) ; v1(19.33,63.31) C85.1 18.74,63.38 U13.9 ; v1(81.6,49.12) C209.1 C208.1 74.81,48.3 74.49,48.62 70.76,48.62 C124.1 70.45,53.13 J19.52 ; v1(69.08,25.2) 69.27,25.01 71.7,25.01 C5.1 71.58,24.53 J2.40 ; v1(58.73,33.01) 59.36,33.01 59.98,33.63 R317.1 ; C206.2 85.05,62.35 82.7,60 82,60 80.65,58.65 C121.2 79.92,58.9 J19.39 ; R113.1 17.19,62.1 16.13,62.1 v1(16.03,62.2) ; v1(21.76,24.27) C24.1 21.56,24.93 21.26,24.63 21.26,23.89 20.58,23.21 J2.198 ; v1(72.73,11.04) C4.2 72.07,11.44 71.88,11.63 J2.39 71.88,13.86 ; v1(67.22,81.8) 66.7,81.8 66.41,82.1 C116.2 67.8,82.35 69.88,80.28 J19.2 ; U17.M4 U17.N4 ; J2.199 20.28,11.21 20.64,10.85 C25.2 ; v1(80.4,7.6) 81.1,7.6 81.62,8.12 R184.1 ; J2.191 22.68,11.71 24,10.39 C19.2 ; v1(24,24.27) C20.1 23.8,24.93 23.5,24.63 23.5,24.18 22.38,23.06 J2.192 ; J2.42 67.38,23.85 67.12,24.11 C7.1 67.9,24.05 67.9,22.87 v1(68.28,22.48) ; J19.41 79.4,58.1 C122.2 80.65,57.15 81,57.5 83.45,57.5 C205.2 ; J2.193 22.08,11.51 22.88,10.71 C21.2 ; J2.41 67.68,11.51 67.31,11.14 C6.2 v1(67.97,10.84) ; J19.24 71.72,64.9 76.95,70.13 C119.1 80.75,70.49 80.96,70.7 82.6,70.7 83,70.3 v1(83,68.84) ; J2.194 21.78,23.18 22.38,23.78 22.38,24.63 22.68,24.93 C22.1 v1(22.88,24.27) ; C23.2 21.76,10.83 20.88,11.71 J2.197 ; J2.200 19.98,24.63 20.28,24.93 C26.1 v1(20.64,24.27) ; R235.2 v1(77.85,86.38)
  BOTTOM w0.5: C205.2 v1(83.85,59.1) ; v1(83.8,62.8) 84.2,63.2 C206.2
  BOTTOM w0.6: v1(18.63,8.6) 18.63,9.36 19.21,9.94 C25.2 C23.2 C21.2 C19.2 ; F3.1 C113.1 v1(85.99,6.94)
  vias: v1(22.12,29.5) v1(22.7,29.5) v1(23.28,29.5) v1(23.85,29.5) v1(49.6,28) v1(49.6,27.4) v1(50.3,28) v1(50.3,27.4) v1(59.8,45.6) v1(60.3,45.2)
+3V3_A: length 30.1
  TOP w0.2: U22.57 27.62,67.93 C175.2 27.21,68.34 27.21,68.34 27.09,68.46 27.09,69.41 v1(27.02,69.48) ; v1(30.44,67.94) 31.09,67.94 ; 31.09,67.94 30.62,67.47 U22.51 ; 31.09,67.94 C173.2 ; U22.54 29.12,67.87 C174.2 29.2,67.95 29.71,68.46 29.71,69.44 v1(29.63,69.53)
  TOP w0.3: U22.10 22.92,61.72 22.9,61.7 v1(22.86,61.7) ; U22.5 v1(22.86,64.22) ; v1(34.73,72.53) 34.73,72.2 34.38,71.85 R164.2 ; U22.64 23.87,66.78 C176.2 22.7,67.57 v1(21.53,66.4) ; R162.2 31.32,72.19 31.73,72.6 v1(32.33,72.6) 32.64,72.29 R165.2 ; U22.49 32.17,66.78 C172.2 v1(33.34,67.14) ; L20.2 29.63,73.9 v1(29.23,73.5) 29.23,72.62 R163.2
  POWER w0.5: v1(29.23,73.5) 29.23,72.8
  BOTTOM w0.1: C170.2 21.03,63.68 v2(21.03,63.1)
  BOTTOM w0.3: R200.2 21.75,66.62 v1(21.53,66.4) ; v1(22.31,64.64) 21.99,64.64 C170.2 21.81,64.14 22.78,64.14 v1(22.86,64.22) ; v1(22.4,61.1) 22.1,61.1 21.75,61.45 C171.2 21.85,61.6 22.19,61.6 22.19,61.6 22.77,61.6 v1(22.86,61.7)
+3V3_LED: length 169.9
  TOP w0.2: LD11.2 88.5,47.33 v1(88.83,47) 88.5,46.68 LD10.2 89.23,45.52 89.23,43.88 LD9.2 ; LD17.2 89.1,62.35 89.1,64.25 LD5.2
  TOP w0.3: LD5.2 v1(86.4,64.85) ; R175.2 R177.2 R174.2 84.6,60.83 v1(84.6,61.2)
  TOP w0.5: v1(88.83,47) 87.93,47 87.33,47.6 87.33,48.57 86.7,49.2 82.6,49.2 82,48.6 R267.2 82.35,48.05 Q16.4
  INT4 w0.5: v1(4.93,80.9) 8.03,80.9 9.63,82.5 19.23,82.5 24.83,88.1 39.03,88.1 43.63,83.5 43.63,67.2 48.03,62.8 69.73,62.8 71.03,64.1 85.65,64.1 v1(86.4,64.85)
  POWER w0.5: v1(86.4,64.85) 84.6,63.05 v1(84.6,61.2) 84.6,60.75 88.8,56.55 88.8,47.09 88.83,47.06 v1(88.83,47) 88.83,46.86 88.8,46.83 88.8,44.12 87.58,42.9 v1(87.58,40.89)
  BOTTOM w0.1: v1(87.58,40.89) v2(86.72,40.89)
  BOTTOM w0.3: R308.1 4.53,71.65 4.53,80.35 R307.2
  BOTTOM w0.5: R307.2 v1(4.93,80.9)
+3V3_ON: length 124.8
  TOP w0.1: v1(66.71,78.52) 66.71,77.93 67.5,77.15 67.5,76.56 R289.1
  TOP w0.2: R288.2 67.55,71.8 67.04,72.31 66.49,72.31 v1(65.9,72.9) ; U30.8 71.4,78 70.43,78.97 C242.1 67.16,78.97 v1(66.71,78.52)
  TOP w0.3: DS25.2 v1(57.12,73.2) 57.12,73.9 ; v1(57.9,81.3) 57.9,82.2 57.6,82.5 TVS6.10 ; 52.72,71.8 v1(52.72,71.1) DS9.2 ; DS27.5 v1(52.72,73.2) 52.72,73.9 ; TVS7.10 v1(65.58,79.92) ; DS26.5 v1(54.92,73.2) 54.92,73.9 ; DS8.2 v1(54.92,71.1) 54.92,71.8 ; DS10.2 v1(50.52,71.1) 50.52,71.8 ; DS7.2 v1(57.12,71.1) 57.12,71.8 ; MOD2.29 v1(3.95,35.05) ; 50.52,73.9 v1(50.52,73.2) DS28.5
  TOP w0.5: 66.1,82.26 65.8,82.56 TVS18.10 ; 66.1,82.26 66.1,82.39 68.04,84.33 68.04,85.24 69.6,86.8 77.4,86.8 v1(78.1,87.5) ; 66.1,82.26 v1(66.1,81.3) ; R180.2 48.64,33.89 C151.1 ; F2.2 v1(47.11,81.19)
  INT1 w0.1: v1(8.4,42.6) 8.4,39.5 v1(3.95,35.05)
  INT1 w0.2: v1(58.18,79.12) 58.4,78.9 58.4,76.9 62.4,72.9 v1(65.9,72.9)
  BOTTOM w0.3: R183.1 79.08,7.1 71.69,7.1 70.5,8.29 70.5,15.6 68.2,17.9 68.2,21.73 68.9,22.43 68.9,23.65 67.74,24.81 67.74,26.69 63.63,30.8 62.98,30.8 62.89,30.88 60.29,30.88 60.1,31.08 59.99,31.08 58.07,33 53.43,33 52.53,33.9 ; v1(3.95,35.05) 5.15,36.25 C92.1 C93.1 5.96,37.86 ; v2(14.53,35.5) R118.2 14.08,37.03 R128.2
  BOTTOM w0.5: R236.2 v1(78.1,87.5)
  vias: v1(35.13,38.76) v1(35.13,38.06) v1(35.13,37.36) v1(35.73,39.66) v1(35.83,38.76) v1(35.83,38.06) v1(35.83,37.36) v1(49.4,35.3) v1(49.4,34.72) v1(50,35.3) v1(50,34.72) v1(53.4,65.6) v1(54.6,65.6) v1(55.8,65.6) v1(57,65.6)
